# Altium PCB MAIN_BOARD_V2.PcbDoc (part 3 of 4)
Units mm, origin at the board's own origin, x right, y up, seen from the top; angles counter-clockwise.
Board outline 125 x 110 mm, 4 copper layers (Top Layer, Mid Layer 1, Mid Layer 2, Bottom Layer), stack 1.586 mm thick; 405 components, 359 nets, 1766 pads, 153 vias.
Unrouted connection lines stored in the file: 817.
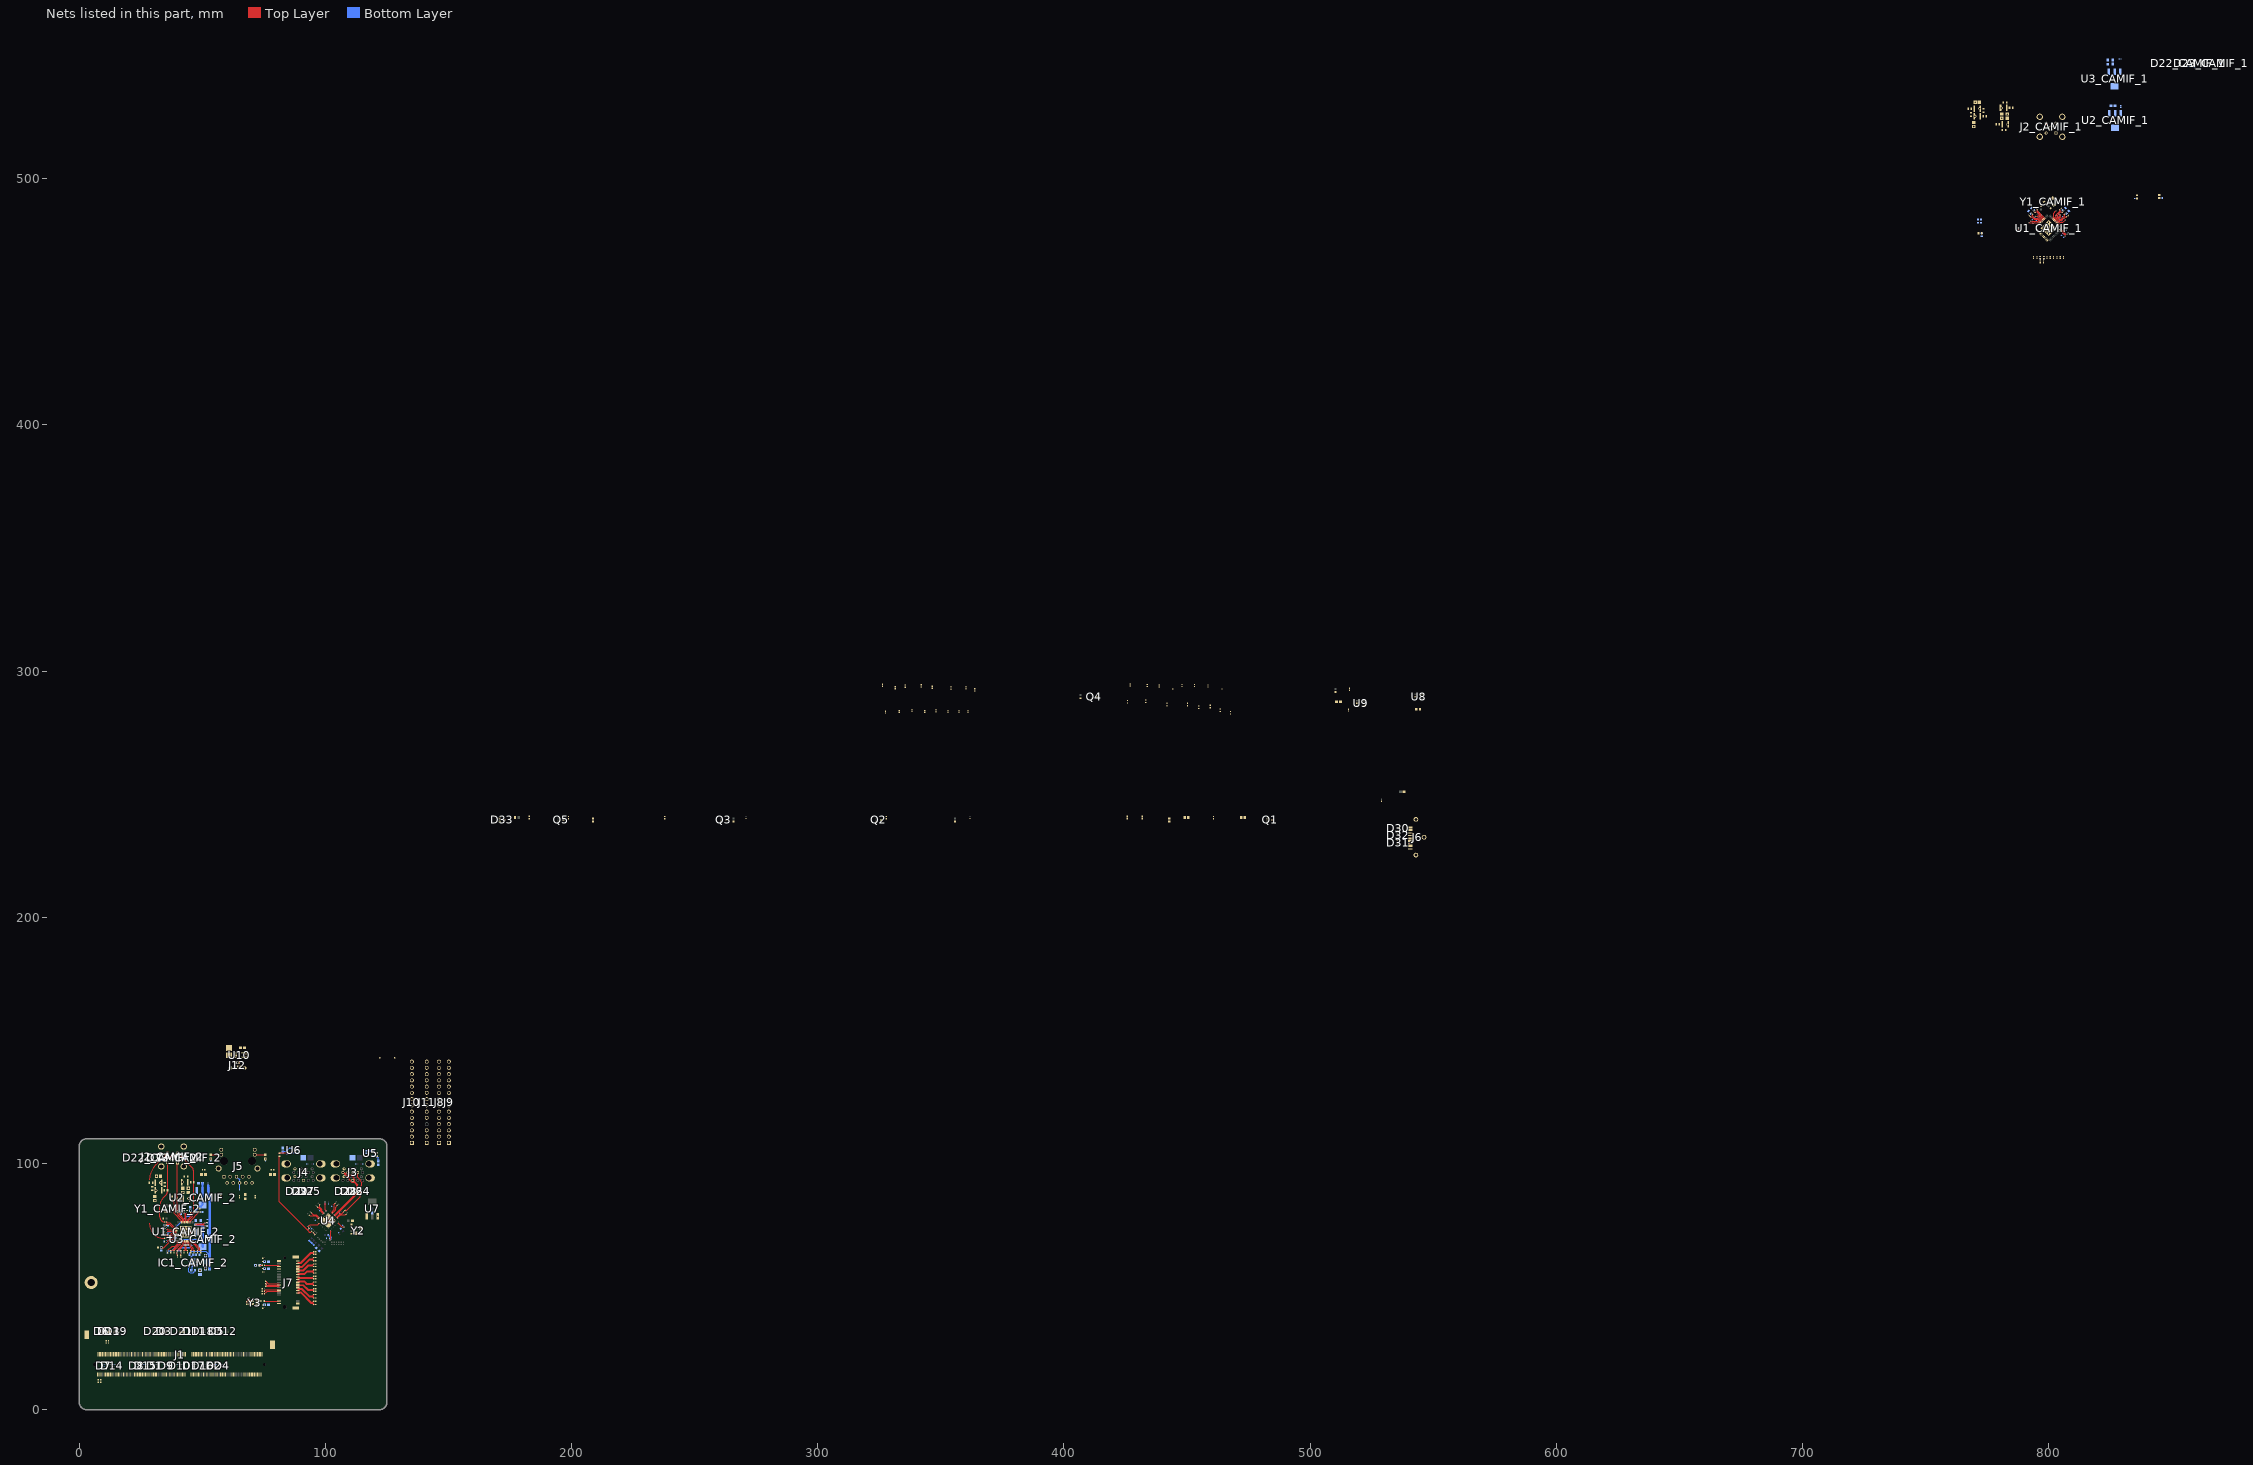
[diagram p5: the nets of this part, all layers, seen from the top]

## Part data (continued)
R24_CAMIF_1 R24_CAMIF_2 R26_CAMIF_1 R26_CAMIF_2 R27_CAMIF_1 R27_CAMIF_2 R29_CAMIF_1 R29_CAMIF_2: library part CMP-2000-00540-8, "RES SMD 5.1K OHM 1% 1/10W 0603", Case Code (Imperial)=0603, Case Code (Metric)=1608, Max Operating Temperature=155°C, Max Power Dissipation=100mW, Min Operating Temperature=-55°C, Package Quantity=1, Resistance=5.1kR, Resistance Tolerance=1%, Resistor Type="Thick Film", Temperature Coefficient=100ppm/°C, Voltage Rating=75V, Case/Package=0603, Construction=Rectangular, Contact Plating=Tin, Depth=0.8mm, Features="Automotive AEC-Q200", Height=0.022inch, Lead Free="Lead Free", Length=1.6mm, Military Standard=Not, Mount="Surface Mount", Number of Terminations=2, Packaging="Tape and Reel", Power Rating=100mW, Radiation Hardening=No, Reach SVHC Compliant=Yes, RoHS Compliant=Yes, Series=ERJ, Size Code=0603, Termination=SMD/SMT, Tolerance=1%, Voltage Rating (DC)=75V, Weight=7.1E-05oz, Width=0.8mm
R28_CAMIF_1 R28_CAMIF_2 R63 R64 R107: library part CMP-2000-00213-2, "Chip Resistor, 120 Ohm, +/- 1%, 0.1 W, -55 to 155 degC, 0603 (1608 Metric), RoHS, Tape and Reel", Case Code (Imperial)=0603, Case Code (Metric)=1608, Manufacturer=Panasonic, Max Operating Temperature=155degC, Max Power Dissipation=100mW, Min Operating Temperature=-55degC, Package Description="2-Pin Surface Mount Device, Body 1.6 x 0.85 mm", Package Quantity=1, Resistance=120Ohm, Temperature Coefficient=100ppm/degreesC, Tolerance=1%, Voltage Rating=75V, Case/Package=0603, Composition=ThickFilm, Contact Plating=Tin, Datasheet URL=https://industrial.panasonic.com/cdbs/www-data/pdf/RDA0000/AOA0000C283.pdf, Datasheet Version=42095.0, Depth=0.8mm, Height=0.022inch, Lead Free=LeadFree, Length=1.6mm, Manufacturer URL=http://www.panasonic.com/, Military Standard=Not, Mount=SurfaceMount, Number of Pins=2, Number of Terminations=2, Package Reference=0603, Package URL=http://www.st.com/st-web-ui/static/active/en/resource/technical/document/datasheet/CD00001320.pdf, Packaging=TapeandReel, Power Rating=100mW, Radiation Hardening=No, REACH SVHC=NoSVHC, RoHSCompliant=true, Termination=SMD/SMT, Voltage Rating (DC)=75V, Width=0.031inch
R40: library part CMP-1012-00631-3, "Chip Resistor, 12 KOhm, +/- 1%, 0.1 W, -55 to 155 degC, 0603 (1608 Metric), RoHS, Tape and Reel", Case Code (Imperial)=0603, Case Code (Metric)=1608, Manufacturer=Panasonic, Max Operating Temperature=155degC, Max Power Dissipation=100mW, Min Operating Temperature=-55degC, Package Description="2-Pin Surface Mount Device, Body 1.6 x 0.85 mm", Package Quantity=1, Resistance=12KOhm, Temperature Coefficient=100ppm/degreesC, Tolerance=1%, Voltage Rating=75V, Case/Package=0603, Composition=ThickFilm, Contact Plating=Tin, Datasheet URL=https://industrial.panasonic.com/cdbs/www-data/pdf/RDA0000/AOA0000C283.pdf, Datasheet Version=42095.0, Depth=0.8mm, Height=0.022inch, Lead Free=LeadFree, Length=1.6mm, Manufacturer URL=http://www.panasonic.com/, Military Standard=Not, Mount=SurfaceMount, Number of Pins=2, Number of Terminations=2, Package Reference=0603, Package URL=http://www.st.com/st-web-ui/static/active/en/resource/technical/document/datasheet/CD00001320.pdf, Packaging=TapeandReel, Power Rating=100mW, Radiation Hardening=No, REACH SVHC=NoSVHC, RoHSCompliant=true, Termination=SMD/SMT, Voltage Rating (DC)=75V, Weight=7.1E-05oz, Width=0.031inch
R41 R50: library part CMP-2000-00180-1, Manufacturer=Panasonic, Part Number=ERJ-3EKF1001V
R47 R49: library part CMP-2000-00319-2, "RES SMD 200K OHM 1% 1/10W 0603", Case Code (Imperial)=0603, Case Code (Metric)=1608, Max Operating Temperature=155°C, Max Power Dissipation=100mW, Min Operating Temperature=-55°C, Package Quantity=1, Resistance=200kR, Resistance Tolerance=1%, Resistor Type="Thick Film", Temperature Coefficient=100ppm/°C, Voltage Rating=75V, Voltage Rating (DC)=50V, Case/Package=0603, Construction=Rectangular, Contact Plating=Tin, Depth=0.8mm, Features="Automotive AEC-Q200", Height=0.022inch, Lead Free="Lead Free", Length=1.6mm, Military Standard=Not, Mount="Surface Mount", Number of Terminations=2, Packaging="Cut Tape", Power Rating=100mW, Radiation Hardening=No, REACH SVHC="No SVHC", RoHS Compliant=Yes, Series=ERJ, Technology="THICK FILM", Termination=SMD/SMT, Tolerance=1%, Width=0.031inch, Working Voltage=75V
R60 R61 R62: library part CMP-009-00209-1, "READ THE NAME"
R80 R88: library part CMP-2002-01128-1, Manufacturer=Panasonic, Part Number=ERJ2RKF1801X
R81 R83 R84 R85 R86 R89 R91 R92: library part CMP-2002-00965-2, "RES SMD 499 OHM 1% 1/10W 0402", Case Code (Imperial)=0402, Case Code (Metric)=1005, Max Operating Temperature=155°C, Max Power Dissipation=100mW, Min Operating Temperature=-55°C, Package Quantity=1, Resistance=499R, Resistance Tolerance=1%, Resistor Type="Thick Film", Temperature Coefficient=100ppm/°C, Voltage Rating=50V, Case/Package=0402, Construction=Rectangular, Contact Plating=Tin, Depth=0.5mm, Features="Automotive AEC-Q200", Height=0.35mm, Lead Free="Lead Free", Length=1mm, Military Standard=Not, Mount="Surface Mount", Number of Terminations=2, Packaging="Tape and Reel", Power Rating=100mW, REACH SVHC="No SVHC", RoHS Compliant=Yes, Series=ERJ, Size Code=0402, Technology="THICK FILM", Termination=SMD/SMT, Tolerance=1%, Voltage Rating (DC)=50V, Width=0.02inch
R93: library part CMP-2000-00542-1, Manufacturer=Panasonic, Part Number=ERJ3EKF5103V
R102: library part CMP-2000-00443-2, "RES SMD 33 OHM 1% 1/10W 0603", Case Code (Imperial)=0603, Case Code (Metric)=1608, Max Operating Temperature=155°C, Max Power Dissipation=100mW, Min Operating Temperature=-55°C, Package Quantity=1, Resistance=33R, Resistance Tolerance=1%, Resistor Type="Thick Film", Temperature Coefficient=100ppm/°C, Voltage Rating=75V, Case/Package=0603, Construction=Rectangular, Contact Plating=Tin, Depth=0.8mm, Features="Automotive AEC-Q200", Height=0.022inch, Lead Free="Lead Free", Length=1.6mm, Military Standard=Not, Mount="Surface Mount", Number of Pins=2, Number of Terminations=2, Packaging="Tape and Reel", Power Rating=100mW, Radiation Hardening=No, REACH SVHC="No SVHC", RoHS Compliant=Yes, Series=ERJ, Size Code=0603, Termination=SMD/SMT, Tolerance=1%, Voltage Rating (DC)=75V, Width=0.031inch
TP1 TP2 TP3 TP4 TP5 TP6 TP7 TP8 TP9: library part CMP-00028-00002-2, "0.6mm round", Pins=1
U1_CAMIF_1 U1_CAMIF_2: library part CMP-015-00011-2, "Quad Tunneling GMSL2/1 to CSI-2 Deserializer"
U2_CAMIF_1 U2_CAMIF_2: library part CMP-0244-00308-1, "Fixed Low Drop Positive Voltage Regulator, 1.8V, 4-Pin SOT-223, Tape and Reel", ComponentLink1Description="Manufacturer URL", ComponentLink1URL=http://www.st.com, ComponentLink2Description=Datasheet, ComponentLink2URL=http://www.st.com/internet/com/TECHNICAL_RESOURCES/TECHNICAL_LITERATURE/DATASHEET/CD00000544.pdf, DatasheetVersion=1/11/2011, PackageDescription="4-Pin SOT-223 Package, 6.5 x 3.5 mm Body, 2.3 mm Pitch, 7 mm Lead Span", PackageReference=SOT-223, PackageVersion=2010
U3_CAMIF_1 U3_CAMIF_2: library part CMP-0244-00318-1, "Fixed Low Drop Positive Voltage Regulator, 1.2V, 4-Pin SOT-223, Tape and Reel", ComponentLink1Description="Manufacturer URL", ComponentLink1URL=http://www.st.com, ComponentLink2Description=Datasheet, ComponentLink2URL=http://www.st.com/internet/com/TECHNICAL_RESOURCES/TECHNICAL_LITERATURE/DATASHEET/CD00000544.pdf, DatasheetVersion=1/11/2011, PackageDescription="4-Pin SOT-223 Package, 6.5 x 3.5 mm Body, 2.3 mm Pitch, 7 mm Lead Span", PackageReference=SOT-223, PackageVersion=2010
U4: library part CMP-06284-000017-1, "IC HUB CTLR USB 56VQFN", Max Operating Temperature=70°C, Min Operating Temperature=0°C, Interface=USB, Lead Free="Lead Free", Packaging=Tray
U5 U6 U8 U9 U10: library part CMP-019-00057-1, "IC PWR SW USB 1CH 1A SOT-25-5"
U7: library part CMP-0244-00318-1, "Fixed Low Drop Positive Voltage Regulator, 1.2V (pn is for 1.5A LDO), 4-Pin SOT-223, Tape and Reel", ComponentLink1Description="Manufacturer URL", ComponentLink1URL=http://www.st.com, ComponentLink2Description=Datasheet, ComponentLink2URL=http://www.st.com/internet/com/TECHNICAL_RESOURCES/TECHNICAL_LITERATURE/DATASHEET/CD00000544.pdf, DatasheetVersion=1/11/2011, PackageDescription="4-Pin SOT-223 Package, 6.5 x 3.5 mm Body, 2.3 mm Pitch, 7 mm Lead Span", PackageReference=SOT-223, PackageVersion=2010
Y1_CAMIF_1 Y1_CAMIF_2 Y2: library part CMP-2000-05733-3, "Crystal 25MHz ±20ppm (Tol) ±30ppm (Stability) 18pF FUND 60Ω 4-Pin SMD T/R", Case/Package=CSMD, ESR (Equivalent Series Resistance)=60R, Frequency=25MHz, Frequency Stability=30ppm, Frequency Tolerance=20ppm, Load Capacitance=18pF, Max Operating Temperature=85°C, Min Operating Temperature=-40°C, Operating Frequency="25 MHz", Package Quantity=1000, Depth=2.5mm, Height=0.039inch, Lead Free="Lead Free", Length=3.2mm, Mount="Surface Mount", Number of Pins=4, Packaging="Tape and Reel", Radiation Hardening=No, Series=ABM8G, Series Resistance=60R, Termination=SMD/SMT, Tolerance=20ppm, Width=0.098inch
Y3: library part CMP-27762-001115-1, "XTAL OSC XO 32.7680KHZ CMOS SMD", Case/Package=CSMD, Frequency=32.768kHz, Frequency Stability=25ppm, Load Capacitance=15pF, Max Operating Temperature=85°C, Max Supply Current=3.5mA, Min Operating Temperature=-40°C, Min Supply Voltage=2.97V, Operating Supply Voltage=3.3V, Depth=2mm, Height=0.037inch, Lead Free="Lead Free", Length=2.5mm, Mount="Surface Mount", Number of Pins=4, Packaging="Tape and Reel", Radiation Hardening=No, Series=ASDK, Termination=SMD/SMT, Width=0.079inch

## Via types
v1: diameter 0.5, hole 0.3, Top Layer to Bottom Layer, 93 vias
v2: diameter 0.5, hole 0.2, Top Layer to Bottom Layer, 32 vias
v3: diameter 1.27, hole 0.711, Top Layer to Bottom Layer, 19 vias
v4: diameter 3.5, hole 2.4, Top Layer to Bottom Layer, 7 vias
v5: diameter 1, hole 0.6, Top Layer to Bottom Layer, 2 vias

## Nets (pads, with @x,y where several pads share a name; then routed paths per layer and width w, separated by ;. In a path a pad name is that pad's centre, name@x,y a point inside that pad or via, vN(x,y) a via of type N, cw(c..) or ccw(c..) an arc to the next point about the centre after c; other vN are vias at no path point)
1V8: C78.2 U7.3
  other v5: 121.3,78.602
1V8_AUX: R72.2
2V_STAGE_CAMIF_1: C42_CAMIF_1.2 C43_CAMIF_1.2 U2_CAMIF_1.3 U3_CAMIF_1.3
2V_STAGE_CAMIF_2: C38_CAMIF_2.1 C39_CAMIF_2.1 C42_CAMIF_2.2 C43_CAMIF_2.2 L1_CAMIF_2.2 R22_CAMIF_2.2 U2_CAMIF_2.3 U3_CAMIF_2.3 | length 43.9
  Bottom Layer w0.2: R22_CAMIF_2.2@44.851,62.947 44.851,63.772 45.401,64.322 51.401,64.322 52.4,63.324 52.4,62.999 C39_CAMIF_2.1@52.827,62.572
  Bottom Layer w1: 52.367,91.039 U2_CAMIF_2.3@52.367,89.025 52.367,87.133 52.927,86.573 C39_CAMIF_2.1@52.927,62.572 L1_CAMIF_2.2@52.927,59.947 C38_CAMIF_2.1@52.927,57.322
2V_STAGE_FB_CAMIF_1: 
2V_STAGE_FB_CAMIF_2: IC1_CAMIF_2.9 R22_CAMIF_2.1 R25_CAMIF_2.2 | length 3.4
  Bottom Layer w0.2: IC1_CAMIF_2.9@45.501,61.097 45.501,62.172 45.901,62.572 46.201,62.872 R22_CAMIF_2.1@46.201,62.947 R25_CAMIF_2.2@47.426,62.947
2V_STAGE_PG_CAMIF_1: 
2V_STAGE_PG_CAMIF_2: IC1_CAMIF_2.3 R23_CAMIF_2.1 | length 1.9
  Bottom Layer w0.2: R23_CAMIF_2.1@45.526,56.572 45.526,56.647 46.001,57.122 IC1_CAMIF_2.3@46.001,58.297
3V3: C33_CAMIF_1.1 C33_CAMIF_2.1 C34_CAMIF_1.2 C34_CAMIF_2.2 C37_CAMIF_2.1 C55.2 C56.2 C57.2 C58.2 C81.2 C104.1 C105.1 C106.1 C108.2 C109.2 C110.2 C111.2 C112.2 C113.2 C115.2 C125.2 IC1_CAMIF_2.1 IC1_CAMIF_2.2 IC1_CAMIF_2.5 IC1_CAMIF_2.6 IC1_CAMIF_2.16 J7.2 J7.4 J7.12 J7.14 J7.16 J7.18 J7.70 J7.72 J7.74 R9_CAMIF_1.2 R9_CAMIF_2.2 R12_CAMIF_1.2 R12_CAMIF_2.2 R13_CAMIF_1.2 R13_CAMIF_2.2 R17_CAMIF_1.2 R17_CAMIF_2.2 R21_CAMIF_1.2 R21_CAMIF_2.2 R23_CAMIF_2.2 R32.2 R37.2 R48.2 R51.2 R63.2 R64.2 R108.1 U1_CAMIF_1.24 U1_CAMIF_2.24 U4.16 U4.31 U4.44 U4.55 Y3.4 | length 45.6
  Top Layer w0.254: v1(35.45,68.325) 35.513,68.388 35.938,68.388 38.575,71.025 U1_CAMIF_2.24@39.383,71.025 ; R108.1@68.062,43.762 68.21,43.91 68.21,44.185 68.462,44.437 69.012,44.437 ; C115.2@68.962,44.771 69.012,44.721 69.012,44.437 ; Y3.4@70.525,44.125 70.212,44.437 69.012,44.437 ; v1(92.792,74.066) 93.876,75.15 96.954,75.15 U4.31@97.415,75.61 ; v1(99.85,84.238) 99.85,81.111 U4.16@100.243,80.718 ; v1(101.775,68.883) 102.239,69.347 102.239,72.5 102.055,72.684 ; U4.55@105.06,75.901 106.636,74.325 v1(107.564,74.325) ; v1(792.817,482.817) 795.415,482.817 U1_CAMIF_1.24@796.376,481.856
  Bottom Layer w0.254: C33_CAMIF_2.1@35.45,68.437 v1(35.45,68.325) 35.482,68.357 35.907,68.357 37.35,69.8 R17_CAMIF_2.2@38.125,69.8 R21_CAMIF_2.2@39.326,69.8 ; IC1_CAMIF_2.6@44.851,59.447 44.851,57.922 44.551,57.622 44.551,55.972 45.001,55.522 46.251,55.522 46.653,55.924 46.653,56.249 R23_CAMIF_2.2@46.976,56.572 ; R32.2@93.456,68.656 R48.2@94.331,67.781 R51.2@95.206,66.906 ; R37.2@101.125,70.95 101.125,70.92 101.373,70.672 101.678,70.672 102.375,69.975 102.375,69.3 102.101,69.026 101.884,69.026 101.775,68.917 v1(101.775,68.883)
  other v1: 75.242,41.2 75.242,42.55 75.255,55.914 75.263,57.264 75.27,60.125 75.267,61.475 53.4,101.808 75.6,101.833
  other v3: 49.051,56.623
3V3_AUX: J8.11 J8.12 J9.11 J9.12 U8.5
5V_AUX: C59.1 C71.1 C85.1 C86.2 C120.1 J8.7 J8.8 J9.7 J9.8 R43.1 R52.1 R110.1 U5.5 U6.5 U9.5 U10.5 | length 7.4
  Bottom Layer w0.5: C71.1@82.65,104.698 82.65,104.769 82.906,105.025 84.075,105.025 84.35,105.3 84.45,105.3 85.35,106.2 85.75,106.2 U6.5@85.8,106.25 ; U5.5@119.525,103.175 120.525,103.175 120.875,102.825 120.975,102.825 121.425,102.375 C59.1@121.425,101.077
5V_MAIN: J1.251 J1.252 J1.253 J1.254 J1.255 J1.256 J1.257 J1.258 J1.259 J1.260 J8.1 J8.2 J8.3 J8.4 J9.1 J9.2 J9.3 J9.4
ACT_LED: J7.10 R106.1 | length 5.9
  Top Layer w0.266: R106.1@75.25,58.625 J7.10@81.175,58.625
ADC_MISO: J11.9
ADC_MOSI: J10.9
ADC_SCLK: J10.10
CAM0_PWDN: J1.116 R14_CAMIF_1.2
CAM1_PWDN: J1.120 R14_CAMIF_2.2
CAM_1V2_CAMIF_1: C25_CAMIF_1.1 C26_CAMIF_1.2 C27_CAMIF_1.1 C28_CAMIF_1.2 C35_CAMIF_1.1 C36_CAMIF_1.2 C41_CAMIF_1.1 R28_CAMIF_1.2 U1_CAMIF_1.30 U1_CAMIF_1.55 U1_CAMIF_1.56 U3_CAMIF_1.2 U3_CAMIF_1.4 | length 6.6
  Top Layer w0.254: U1_CAMIF_1.55@804.685,479.205 806.728,477.161 806.728,476.822 v1(806.775,476.775) ; U1_CAMIF_1.56@805.038,479.558 807.074,477.522 807.428,477.522 v1(807.475,477.475)
CAM_1V2_CAMIF_2: C25_CAMIF_2.1 C26_CAMIF_2.2 C27_CAMIF_2.1 C28_CAMIF_2.2 C35_CAMIF_2.1 C36_CAMIF_2.2 C41_CAMIF_2.1 R28_CAMIF_2.2 U1_CAMIF_2.30 U1_CAMIF_2.55 U1_CAMIF_2.56 U3_CAMIF_2.2 U3_CAMIF_2.4 | length 45.3
  Top Layer w0.254: v1(35.875,64.475) 36.008,64.608 36.008,64.678 37.78,66.45 38.908,66.45 40.362,67.904 40.362,67.908 40.508,68.054 U1_CAMIF_2.30@40.508,68.4 ; U1_CAMIF_2.55@47.133,75.025 50.6,75.025 51.025,74.6 v1(51.058,74.6) ; U1_CAMIF_2.56@47.133,75.525 50.6,75.525 51.025,75.95 v1(51.058,75.95)
  Bottom Layer w0.5: v1(35.875,64.475) 37.595,64.475 42.245,69.125 50.075,69.125 ; v1(51.058,74.6) 50.217,74.6 50.075,74.458 50.075,74.904 51.058,75.887 v1(51.058,75.95)
  Bottom Layer w1: R28_CAMIF_2.2@47.25,75.1 47.25,75.123 47.275,75.148 C41_CAMIF_2.1@49.4,75.148 49.4,75.05 49.406,75.044 49.489,75.044 50.075,74.458 U3_CAMIF_2.2@50.075,72.075 50.075,69.125 U3_CAMIF_2.4@50.075,66.175
CAM_1V8_CAMIF_1: C29_CAMIF_1.1 C30_CAMIF_1.2 C31_CAMIF_1.1 C32_CAMIF_1.2 C40_CAMIF_1.1 U1_CAMIF_1.7 U1_CAMIF_1.21 U2_CAMIF_1.2 U2_CAMIF_1.4 | length 6.7
  Top Layer w0.254: v1(794.825,484.821) 795.532,484.821 U1_CAMIF_1.21@797.437,482.917 ; U1_CAMIF_1.7@802.917,482.563 805.006,484.653 805.253,484.653 v1(805.3,484.7)
CAM_1V8_CAMIF_2: C29_CAMIF_2.1 C30_CAMIF_2.2 C31_CAMIF_2.1 C32_CAMIF_2.2 C40_CAMIF_2.1 U1_CAMIF_2.7 U1_CAMIF_2.21 U2_CAMIF_2.2 U2_CAMIF_2.4 | length 37.3
  Top Layer w0.254: v1(35.425,72.275) 35.675,72.525 U1_CAMIF_2.21@39.383,72.525 ; U1_CAMIF_2.7@43.508,76.15 43.508,79.733 43.812,80.038 v1(43.875,80.038)
  Bottom Layer w0.5: v1(35.425,72.275) C31_CAMIF_2.1@35.425,72.338 ; C31_CAMIF_2.1@35.45,72.317 37.454,72.317 43.875,78.738 v1(43.875,80.038)
  Bottom Layer w1: 43.875,78.738 45.188,78.738 48.725,82.275 49.127,82.275 U2_CAMIF_2.4@49.977,83.125 ; U2_CAMIF_2.4@50.067,83.125 U2_CAMIF_2.2@50.067,89.025 C40_CAMIF_2.1@50.067,91.95
CAM_I2C_SCL: J1.213 R21_CAMIF_1.1 R21_CAMIF_2.1 TP9.1 U1_CAMIF_1.29 U1_CAMIF_2.29 | length 0.9
  Top Layer w0.2: v1@39.269,68.218 v1(39.326,68.275) 39.985,68.275 40.008,68.298 U1_CAMIF_2.29@40.008,68.4
CAM_I2C_SDA: J1.215 R17_CAMIF_1.1 R17_CAMIF_2.1 TP8.1 U1_CAMIF_1.28 U1_CAMIF_2.28 | length 1.5
  Top Layer w0.2: v1(38.125,68.425) 38.725,69.025 U1_CAMIF_2.28@39.383,69.025
CAN_RX: J1.143 J11.7
CAN_TX: J1.145 J10.7
CK_CAMIF_1_N: C14_CAMIF_1.2 R7_CAMIF_1.2 R8_CAMIF_1.2
CK_CAMIF_1_P: C11_CAMIF_1.2 R5_CAMIF_1.2 R6_CAMIF_1.2
CK_CAMIF_2_N: C14_CAMIF_2.2 R7_CAMIF_2.2 R8_CAMIF_2.2 | length 1
  Top Layer w0.168: C14_CAMIF_2.2@41.225,62.708 v1(41.225,63.675)
CK_CAMIF_2_P: C11_CAMIF_2.2 R5_CAMIF_2.2 R6_CAMIF_2.2 | length 1
  Top Layer w0.168: C11_CAMIF_2.2@39.875,62.717 v1(39.875,63.675)
CKA_CAMIF_1_N: R8_CAMIF_1.1 U1_CAMIF_1.40
CKA_CAMIF_1_P: R6_CAMIF_1.1 U1_CAMIF_1.39
CKA_CAMIF_2_N: R8_CAMIF_2.1 U1_CAMIF_2.40 | length 8.7
  Top Layer w0.168: U1_CAMIF_2.40@45.508,68.4 45.508,67.726 45.986,67.248 45.986,67.139 v1(46.05,67.075)
  Bottom Layer w0.168: R8_CAMIF_2.1@41.233,64.575 40.803,64.575 40.705,64.673 40.705,64.953 41.491,65.739 44.864,65.739 45.787,66.661 45.787,66.811 v1@46.05,67.074
CKA_CAMIF_2_P: R6_CAMIF_2.1 U1_CAMIF_2.39 | length 8.6
  Top Layer w0.168: U1_CAMIF_2.39@45.008,68.4 45.008,67.632 45.275,67.365 v1(45.275,67.275)
  Bottom Layer w0.168: R6_CAMIF_2.1@39.883,64.575 40.313,64.575 40.411,64.673 40.411,65.075 41.369,66.033 44.742,66.033 45.492,66.783 45.492,67.011 45.275,67.228 v1(45.275,67.275)
CKC_CAMIF_1_N: R7_CAMIF_1.1 U1_CAMIF_1.34
CKC_CAMIF_1_P: R5_CAMIF_1.1 U1_CAMIF_1.33
CKC_CAMIF_2_N: R7_CAMIF_2.1 U1_CAMIF_2.34 | length 4.8
  Top Layer w0.168: R7_CAMIF_2.1@41.225,64.575 41.034,64.766 40.907,64.766 40.809,64.864 40.809,65.127 41.689,66.007 41.922,66.239 42.508,66.826 U1_CAMIF_2.34@42.508,68.4
CKC_CAMIF_2_P: R5_CAMIF_2.1 U1_CAMIF_2.33 | length 4.8
  Top Layer w0.168: R5_CAMIF_2.1@39.875,64.575 40.066,64.766 40.193,64.766 40.291,64.864 40.291,65.309 40.309,65.327 40.309,65.334 41.189,66.214 41.714,66.739 42.008,67.033 U1_CAMIF_2.33@42.008,68.4
CSI0_CLK_N: C14_CAMIF_1.1 D6.4 D6.7 J1.10
CSI0_CLK_P: C11_CAMIF_1.1 D6.5 D6.6 J1.12
CSI0_D0_N: C2_CAMIF_1.1 D6.1 D6.10 J1.4
CSI0_D0_P: C1_CAMIF_1.1 D6.2 D6.9 J1.6
CSI0_D1_N: C4_CAMIF_1.1 D13.1 R3.2
CSI0_D1_P: C3_CAMIF_1.1 D13.2 R4.2
CSI1_D0_N: C6_CAMIF_1.1 D7.1 R1.2
CSI1_D0_P: C5_CAMIF_1.1 D7.2 R2.2
CSI1_D1_N: C10_CAMIF_1.1 D7.4 J1.15
CSI1_D1_P: C9_CAMIF_1.1 D7.5 J1.17
CSI2_CLK_N: C14_CAMIF_2.1 D19.1 J1.28
CSI2_CLK_P: C11_CAMIF_2.1 D19.2 J1.30
CSI2_D0_N: C2_CAMIF_2.1 D13.4 J1.22
CSI2_D0_P: C1_CAMIF_2.1 D13.5 J1.24
CSI2_D1_N: C4_CAMIF_2.1 D19.4 J1.34
CSI2_D1_P: C3_CAMIF_2.1 D19.5 J1.36
CSI3_D0_N: C6_CAMIF_2.1 D14.1 J1.21
CSI3_D0_P: C5_CAMIF_2.1 D14.2 J1.23
CSI3_D1_N: C10_CAMIF_2.1 D14.4 J1.33
CSI3_D1_P: C9_CAMIF_2.1 D14.5 J1.35
DA0_CAMIF_1_N: C2_CAMIF_1.2 U1_CAMIF_1.32
DA0_CAMIF_1_P: C1_CAMIF_1.2 U1_CAMIF_1.31
DA0_CAMIF_2_N: C2_CAMIF_2.2 U1_CAMIF_2.32 | length 5.1
  Top Layer w0.168: C2_CAMIF_2.2@38.525,64.5 38.677,64.652 38.677,64.825 40.032,66.18 41.51,67.658 41.51,68.398 U1_CAMIF_2.32@41.508,68.4
DA0_CAMIF_2_P: C1_CAMIF_2.2 U1_CAMIF_2.31 | length 5.8
  Top Layer w0.168: C1_CAMIF_2.2@37.175,64.5 37.175,64.507 37.327,64.659 37.779,64.659 38.159,65.04 39.818,66.698 40.992,67.872 40.992,68.384 U1_CAMIF_2.31@41.008,68.4
DA1_CAMIF_1_N: C4_CAMIF_1.2 U1_CAMIF_1.36
DA1_CAMIF_1_P: C3_CAMIF_1.2 U1_CAMIF_1.35
DA1_CAMIF_2_N: C4_CAMIF_2.2 U1_CAMIF_2.36 | length 4.2
  Top Layer w0.168: U1_CAMIF_2.36@43.508,68.4 43.509,68.02 43.5,68.012 43.5,66.583 43.509,66.575 43.509,64.776 43.607,64.677 43.773,64.677 43.925,64.525 C4_CAMIF_2.2@43.925,64.492
DA1_CAMIF_2_P: C3_CAMIF_2.2 U1_CAMIF_2.35 | length 4.2
  Top Layer w0.168: C3_CAMIF_2.2@42.575,64.492 42.575,64.525 42.727,64.677 42.893,64.677 42.991,64.776 42.991,66.575 43,66.583 43,68.392 U1_CAMIF_2.35@43.008,68.4
DA2_CAMIF_1_N: C6_CAMIF_1.2 U1_CAMIF_1.38
DA2_CAMIF_1_P: C5_CAMIF_1.2 U1_CAMIF_1.37
DA2_CAMIF_2_N: C6_CAMIF_2.2 U1_CAMIF_2.38 | length 4.9
  Top Layer w0.168: U1_CAMIF_2.38@44.508,68.4 44.526,68.382 44.526,67.336 46.209,65.653 46.209,64.776 46.307,64.677 46.473,64.677 46.625,64.525 C6_CAMIF_2.2@46.625,64.492
DA2_CAMIF_2_P: C5_CAMIF_2.2 U1_CAMIF_2.37 | length 4.9
  Top Layer w0.168: U1_CAMIF_2.37@44.008,68.4 44.008,67.122 45.691,65.438 45.691,64.776 45.593,64.677 45.427,64.677 45.275,64.525 C5_CAMIF_2.2@45.275,64.492
DA3_CAMIF_1_N: C10_CAMIF_1.2 U1_CAMIF_1.42
DA3_CAMIF_1_P: C9_CAMIF_1.2 U1_CAMIF_1.41
DA3_CAMIF_2_N: C10_CAMIF_2.2 U1_CAMIF_2.42 | length 5.2
  Top Layer w0.168: U1_CAMIF_2.42@46.508,68.4 46.525,68.383 46.525,68.013 48.891,65.646 48.891,65.444 48.909,65.427 48.909,64.784 49.007,64.686 49.173,64.686 49.325,64.533 C10_CAMIF_2.2@49.325,64.5
DA3_CAMIF_2_P: C9_CAMIF_2.2 U1_CAMIF_2.41 | length 5.2
  Top Layer w0.168: U1_CAMIF_2.41@46.008,68.4 46.008,68.028 46.024,68.012 46.024,67.807 48.391,65.439 48.391,64.784 48.293,64.686 48.127,64.686 47.975,64.533 C9_CAMIF_2.2@47.975,64.5
DAC_SCL: J11.5
DAC_SDA: J10.5
DP1_AUX_N: D20.4 J1.98 Q2.2 R79.1
DP1_AUX_P: D20.5 J1.100 Q3.3 R87.1
DP1_HPD: D20.2 J1.96 Q1.3 R72.1
DP1_TXD0_N: C88.1 D8.1 J1.63
DP1_TXD0_P: C87.1 D8.2 J1.65
DP1_TXD1_N: C92.1 D8.4 J1.69
DP1_TXD1_P: C89.1 D8.5 J1.71
DP1_TXD2_N: C94.1 D15.1 J1.75
DP1_TXD2_P: C93.1 D15.2 J1.77
DP1_TXD3_N: C96.1 D15.4 J1.81
DP1_TXD3_P: C95.1 D15.5 J1.83
DP_HDMI_CEC: D20.1 J1.94 R93.1
ETH_GND: C79.1 J5.11 J5.12 R57.2 R58.2 R59.2 R60.2 R61.2 R62.2 R111.2
GBE_LED_ACT: J1.194 J5.L4
GBE_LED_LINK: J1.188 J5.L2
GBE_MDI0_N: D5.1 J1.184 J5.2
GBE_MDI0_P: D5.2 J1.186 J5.1
GBE_MDI1_N: D5.4 J1.190 J5.4
GBE_MDI1_P: D5.5 J1.192 J5.3
GBE_MDI2_N: D12.1 J1.196 J5.8
GBE_MDI2_P: D12.2 J1.198 J5.7
GBE_MDI3_N: D12.4 J1.202 J5.10
GBE_MDI3_P: D12.5 J1.204 J5.9
GND: C19_CAMIF_1.2 C19_CAMIF_2.2 C20_CAMIF_1.2 C20_CAMIF_2.2 C21_CAMIF_1.2 C21_CAMIF_2.2 C22_CAMIF_1.1 C22_CAMIF_2.1 C23_CAMIF_1.2 C23_CAMIF_2.2 C24_CAMIF_1.1 C24_CAMIF_2.1 C25_CAMIF_1.2 C25_CAMIF_2.2 C26_CAMIF_1.1 C26_CAMIF_2.1 C27_CAMIF_1.2 C27_CAMIF_2.2 C28_CAMIF_1.1 C28_CAMIF_2.1 C29_CAMIF_1.2 C29_CAMIF_2.2 C30_CAMIF_1.1 C30_CAMIF_2.1 C31_CAMIF_1.2 C31_CAMIF_2.2 C32_CAMIF_1.1 C32_CAMIF_2.1 C33_CAMIF_1.2 C33_CAMIF_2.2 C34_CAMIF_1.1 C34_CAMIF_2.1 C35_CAMIF_1.2 C35_CAMIF_2.2 C36_CAMIF_1.1 C36_CAMIF_2.1 C37_CAMIF_2.2 C38_CAMIF_2.2 C39_CAMIF_2.2 C40_CAMIF_1.2 C40_CAMIF_2.2 C41_CAMIF_1.2 C41_CAMIF_2.2 C42_CAMIF_1.1 C42_CAMIF_2.1 C43_CAMIF_1.1 C43_CAMIF_2.1 C44.1 C45.1 C46.1 C47.1 C48.1 C49.2 C50.1 C51.1 C52.1 C53.1 C54.1 C55.1 C56.1 C57.1 C58.1 C59.2 C63.2 C66.1 C67.1 C71.2 C72.2 C73.2 C77.2 C78.1 C79.2 C80.1 C81.1 C82.2 C83.1 C84.1 C85.2 C86.1 C90.1 C91.1 C97.2 C104.2 C105.2 C106.2 C108.1 C109.1 C110.1 C111.1 C112.1 C113.1 C115.1 C118.2 C119.1 C120.2 C121_CAMIF_1.2 C121_CAMIF_2.2 C122_CAMIF_1.2 C122_CAMIF_2.2 C123_CAMIF_1.2 C123_CAMIF_2.2 C124_CAMIF_1.2 C124_CAMIF_2.2 C125.1 D1.3 D1.8 D2.3 D2.8 D3.3 D3.8 D4.3 D4.8 D5.3 D5.8 D6.3 D6.8 D7.3 D7.8 D8.3 D8.8 D9.3 D9.8 D10.3 D10.8 D11.3 D11.8 D12.3 D12.8 D13.3 D13.8 D14.3 D14.8 D15.3 D15.8 D16.3 D16.8 D17.3 D17.8 D18.3 D18.8 D19.3 D19.8 D20.3 D20.8 D21.3 D21.8 D22_CAMIF_1.3 D22_CAMIF_1.8 D22_CAMIF_2.3 D22_CAMIF_2.8 D23_CAMIF_1.3 D23_CAMIF_1.8 D23_CAMIF_2.3 D23_CAMIF_2.8 D24.3 D24.8 D25.3 D25.8 D26.3 D26.8 D27.3 D27.8 D28.3 D28.8 D29.3 D29.8 D30.3 D30.8 D31.3 D31.8 D32.3 D32.8 IC1_CAMIF_2.7 IC1_CAMIF_2.8 IC1_CAMIF_2.10 IC1_CAMIF_2.11 IC1_CAMIF_2.12 IC1_CAMIF_2.17 J1.1 J1.2 J1.7 J1.8 J1.13 J1.14 J1.19 J1.20 J1.25 J1.26 J1.31 J1.32 J1.37 J1.38 J1.43 J1.44 J1.49 J1.50 J1.55 J1.56 J1.61 J1.62 J1.67 J1.68 J1.73 J1.74 J1.79 J1.80 J1.85 J1.86 J1.102 J1.107 J1.113 J1.119 J1.125 J1.129 J1.132 J1.135 J1.138 J1.141 J1.144 J1.146 J1.147 J1.152 J1.153 J1.158 J1.159 J1.164 J1.165 J1.170 J1.171 J1.176 J1.177 J1.200 J1.201 J1.231 J1.241 J1.242 J1.243 J1.244 J1.245 J1.246 J1.247 J1.248 J1.249 J1.250 J1.261 J1.262 J2_CAMIF_1.MH1 J2_CAMIF_1.MH2 J2_CAMIF_1.MH3 J2_CAMIF_1.MH4 J2_CAMIF_1.MH5 J2_CAMIF_2.MH1 J2_CAMIF_2.MH2 J2_CAMIF_2.MH3 J2_CAMIF_2.MH4 J2_CAMIF_2.MH5 J3.A4 J3.A7 J3.B4 J3.B7 J3.Shell J4.A4 J4.A7 J4.B4 J4.B7 J4.Shell J6.2 J6.5 J6.8 J6.11 J6.17 J6.20 J6.21 J6.22 J7.1 J7.3 J7.9 J7.15 J7.21 J7.27 J7.33 J7.39 J7.45 J7.51 J7.57 J7.71 J7.73 J7.75 J7.76 J7.77 J8.5 J8.6 J8.9 J8.10 J8.13 J8.14 J9.5 J9.6 J9.9 J9.10 J9.13 J9.14 J10.3 J10.6 J10.8 J10.11 J10.12 J10.13 J10.14 J11.3 J11.6 J11.8 J11.11 J11.12 J11.13 J11.14 J12.5 J12.6 J12.7 J12.8 MP1.1 Q1.2 Q4.2 R10_CAMIF_1.1 R10_CAMIF_2.1 R11_CAMIF_1.1 R11_CAMIF_2.1 R15_CAMIF_1.1 R15_CAMIF_2.1 R16_CAMIF_1.1 R16_CAMIF_2.1 R18_CAMIF_1.1 R18_CAMIF_2.1 R19_CAMIF_1.1 R19_CAMIF_2.1 R20_CAMIF_1.1 R20_CAMIF_2.1 R25_CAMIF_2.1 R28_CAMIF_1.1 R28_CAMIF_2.1 R39.1 R40.2 R47.1 R49.2 R57.1 R58.1 R59.1 R60.1 R61.1 R62.1 R65.1 R73.1 R95.1 R107.1 R109.1 R111.1 U1_CAMIF_1.57 U1_CAMIF_2.57 U2_CAMIF_1.1 U2_CAMIF_2.1 U3_CAMIF_1.1 U3_CAMIF_2.1 U4.57 U5.2 U6.2 U7.1 U8.2 U9.2 U10.2 Y1_CAMIF_1.2 Y1_CAMIF_1.4 Y1_CAMIF_2.2 Y1_CAMIF_2.4 Y2.2 Y2.4 Y3.2 | length 3.6